# KiCad board smps_legged_robot.kicad_pcb (continued)
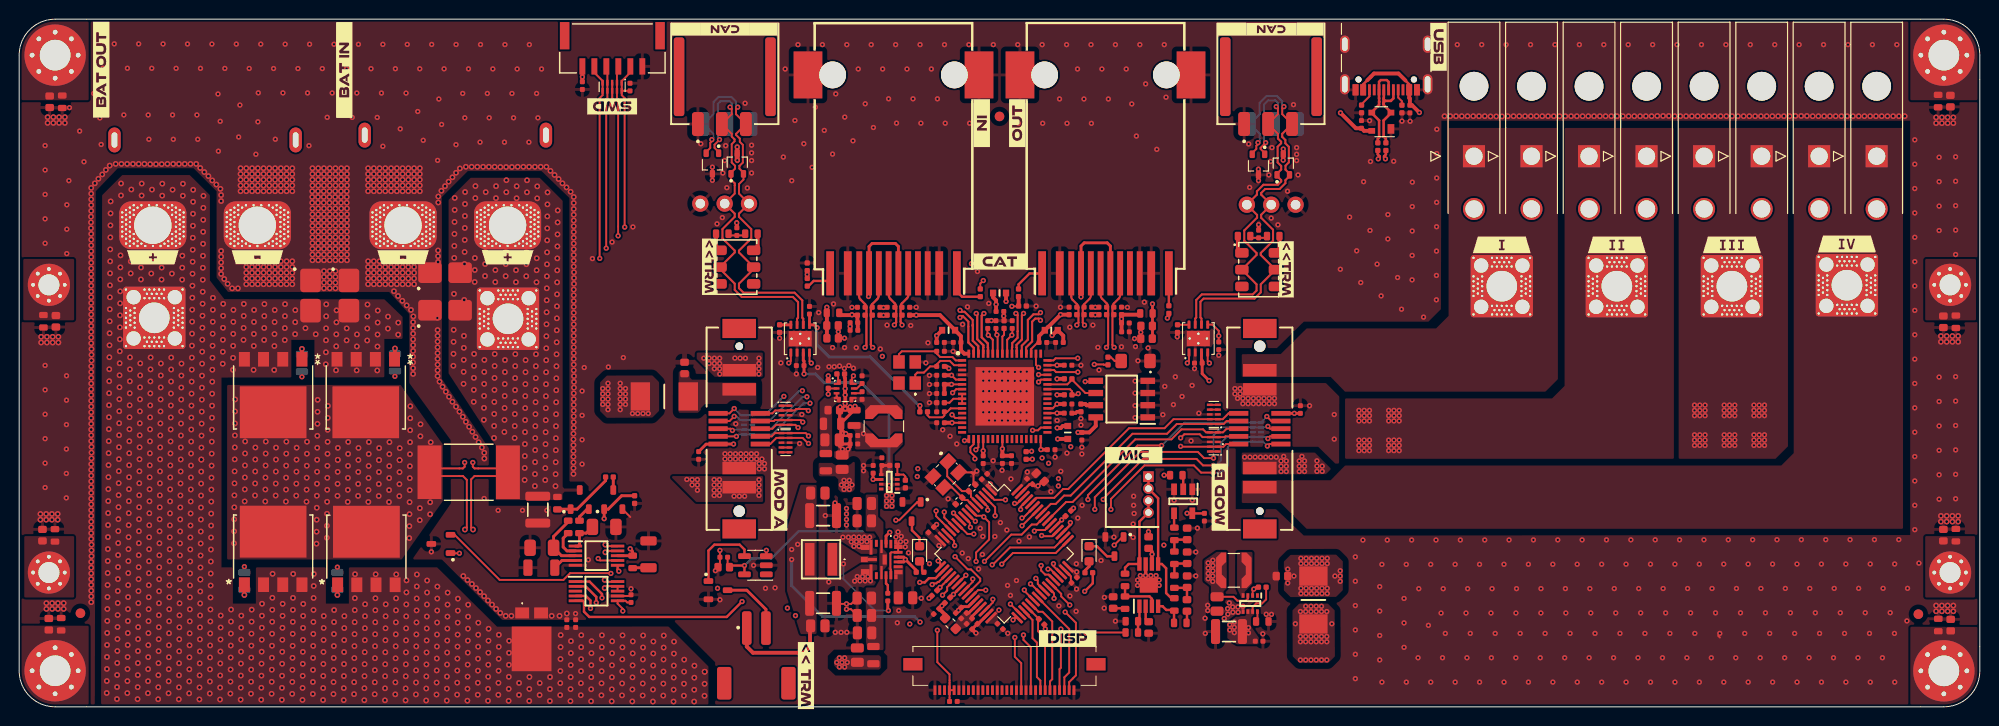
[diagram p0: board, top side]
## Routing (per net, layer and track width the routed paths; a pad name or vN(x,y) marks a point on that pad's centre or on a via; arc(x,y) is an arc through that point) (continued)
Net-(R1701-Pad2): length 1.5
  L1 (Sig, PWR) w0.25: U1701.2 121.41,24.15
Net-(R1703-Pad1): length 1.5
  L1 (Sig, PWR) w0.25: R1703.1 120.46,18.71 U1701.4
Net-(SW1101A-A): length 1.9
  L1 (Sig, PWR) w0.4: SW1101.1 127.11,47.75 R1107.1
Net-(SW1101B-A): length 1.9
  L1 (Sig, PWR) w0.4: SW1101.4 131.45,47.75 R1108.2
Net-(SW1103A-A): length 1.9
  L1 (Sig, PWR) w0.4: SW1103.1 72.69,48.02 R1138.1
Net-(SW1103B-A): length 1.9
  L1 (Sig, PWR) w0.4: R1139.2 77.03,48.02 SW1103.4
Net-(U801-MODE): length 12
  L1 (Sig, PWR) w0.2: U802.8 86.86,34.35 ; v2(84.39,34.51) R803.2
  L1 (Sig, PWR) w0.25: 89.95,25.17 89.91,25.13 89.91,24.21 U801.5
  L1 (Sig, PWR) w0.3: 89.95,25.17 R805.1
  L3 (Sig, PWR) w0.2: v2(87.02,34.51) v2(84.39,34.51)
  L4 (Sig, PWR) w0.2: v2(87.02,34.51) 88.06,33.46 v2(88.06,28.48)
Net-(U801-PR1): length 2.3
  L1 (Sig, PWR) w0.2: R804.1 92.43,24.02 92.24,24.22 91.6,24.22 U801.4 91.6,24.22 R805.2 91.59,25.16
Net-(U802-BOOT): length 0.9
  L1 (Sig, PWR) w0.2: U802.6 87.75,32.69 C815.2
Net-(U802-EN/UVLO): length 0.6
  L1 (Sig, PWR) w0.2: U802.3 85.27,32.69 85.27,32.33 U802.4
unconnected-(D901-K-Pad4): length 0.8
  L1 (Sig, PWR) w0.2: D901.7 D901.4
unconnected-(D901-K-Pad5): length 0.8
  L1 (Sig, PWR) w0.2: D901.6 D901.5
unconnected-(D903-K-Pad1): length 0.8
  L1 (Sig, PWR) w0.2: D903.10 125.03,26.62
unconnected-(D1001-K-Pad4): length 0.9
  L1 (Sig, PWR) w0.2: D1001.4 D1001.7
unconnected-(D1001-K-Pad5): length 0.9
  L1 (Sig, PWR) w0.2: D1001.5 D1001.6
unconnected-(D1003-K-Pad1): length 0.9
  L1 (Sig, PWR) w0.2: D1003.1 D1003.10

## Copper pours and planes (outline as drawn; the poured copper is in the pictures)
+3.3VA on L1 (Sig, PWR): 98.81,10.14 99.75,9.22 98.83,8.3 98.28,8.11 97.67,7.5 97.05,8.11 97.67,8.72 97.91,9.23
+3V3 on L1 (Sig, PWR): 100.09,23.67 100.09,23.81 100.34,24.04 100.48,24.04 100.89,23.62 101.36,23.49 102.04,22.81 102.04,22.16 101.85,21.97 101.79,21.97
+3V3 on L1 (Sig, PWR): 108.75,15.04 109.79,14 109.89,13.83 109.97,13.48 110.33,13.13 110.68,13.47 110.56,14.28 109.65,14.59 108.95,15.29 108.75,15.09
+3V3 on L1 (Sig, PWR): 95.68,17.96 95.44,17.94 94.84,18.54 94.47,18.18 94.47,17.96 95.85,16.53 96.44,16.53 96.71,16.8 96.71,16.93
+3V3 on L1 (Sig, PWR): 100.94,8.66 101.69,8.66 102.04,8.31 102.42,8.69 102.06,9.01 102.06,9.73 102.06,9.74 102.47,10.15 102.24,10.37 100.75,8.87
+3V3 on L1 (Sig, PWR): 124.31,11.01 125.62,11.01 125.63,12.05 125.96,12.38 125.95,16.16 124.91,16.16 123.61,15.27 123.61,13.12 124.3,12.61
+3V3 on L1 (Sig, PWR): 104.56,23.34 103.43,22.2 103.67,21.96 104.95,23.27 105.15,23.27 105.68,23.8 106.15,23.8 106.7,24.38 106.16,24.92 105.06,24.78 104.86,24.59
+3V3 on L6 (Sig, PWR): 95.84,16.03 94.44,14.64 94.44,11.28 97.15,9.69 119.92,9.69 124.87,12.83 124.87,19.26 123.81,20.33 121.06,20.33 120.5,19.77 120.52,18.28 119.67,17.46 112.17,17.46 110.84,18.78 110.81,28.91 109.04,30.69 109.04,38.64 108.04,39.33 108.04,41.73 107.09,42.69 100.29,42.69 99.94,42.33 99.94,40.58 100.24,40.28 102.64,40.28 106.67,36.28 106.67,29.16 106.02,28.51 99.64,28.53 98.94,29.23 98.94,34.26 98.19,35.01 98.19,36.01 96.99,37.21 96.99,38.94 96.67,39.26 95.69,39.26 95.37,38.94 95.37,36.44 95.09,36.16 93.97,36.16 93.64,35.83 93.63,31.44 93.65,27.84 95.87,25.62
+3V3_A on L6 (Sig, PWR): 108.25,43.59 109.22,44.43 116.45,44.43 117.82,43.58 117.82,39.55 116.46,38.79 109.22,38.79 108.24,39.51
+3V3_B on L6 (Sig, PWR): 86.45,43.34 87.85,44.22 92.94,44.22 94.75,42.41 94.74,40.38 92.93,38.57 88.26,38.57 86.45,40.38
+5V on L1 (Sig, PWR): 127.02,6.52 126.02,7.14 126.02,8.71 127.02,9.46 127.81,9.46 127.99,9.64 127.99,10.23 128.81,10.23 128.81,9.64 128.49,9.31 128.49,8.39 129.31,7.19 129.31,6.52
+5V on L1 (Sig, PWR): 89.68,23.36 91.83,23.36 91.83,22.97 91.31,22.97 91.15,22.81 91.15,22.38 91.32,22.21 91.32,20.63 90.18,20.63 90.18,22.21 90.35,22.38 90.35,22.81 90.19,22.97 89.68,22.97
+5V on L6 (Sig, PWR): 89.96,23.53 89.96,21.56 87.69,19.26 87.69,12.14 95.12,7.64 128.47,7.56 128.47,8.94 127.94,9.46 97.03,9.49 90.19,13.66 90.19,18.86 91.57,20.26 91.57,23.53
+12V on L1 (Sig, PWR): 81.52,23.16 83.17,23.14 83.17,7.59 81.52,7.58 80.09,12.06 80.09,18.61
+VBAT on L1 (Sig, PWR): 49.69,21.56 49.69,27.26 44.79,34.76 44.79,52.86 47.09,55.16 54.29,55.16 56.69,52.76 56.69,22.94 56.87,22.76 58.79,22.76 58.79,22.44 56.89,22.44 56.69,22.23 56.69,21.56
+VBAT on L6 (Sig, PWR), L3 (Sig, PWR), L4 (Sig, PWR): 49.69,21.56 49.69,27.26 44.79,34.76 44.79,52.86 47.09,55.16 54.29,55.16 56.69,52.76 56.69,21.56
+VIN on L1 (Sig, PWR): 66.04,30.16 66.74,30.86 66.74,33.86 66.04,34.56 61.29,34.53 60.59,33.83 60.59,30.83 61.29,30.14
+VIN on L1 (Sig, PWR): 89.9,5.18 89.9,4.08 89.7,3.88 85.42,3.88 85,4.3 85,4.95 85.42,5.38 89.7,5.38
+VIN on L1 (Sig, PWR): 22.29,14.55 22.29,10.76 24.69,10.76 24.69,14.55 31.99,14.55 31.99,10.76 34.39,10.76 34.39,14.55 43.59,14.55 49.84,8.36 67.73,8.37 71.89,4.21 71.89,0.23 8.54,0.26 8.65,53.35 10.75,55.45 17.79,55.45 19.89,53.36 19.89,44.46 21.39,42.51 38.09,42.48 39.99,40.66 39.99,38.36 38.09,38.36 38.09,34.36 30.79,34.35 30.79,38.26 28.39,38.26 28.39,34.34 21.1,34.33 21.1,14.55
+VIN on L1 (Sig, PWR): 137.21,10.06 136.51,10.76 133.51,10.76 132.81,10.06 132.83,5.26 133.53,4.56 136.53,4.56 137.23,5.26
+VIN on L1 (Sig, PWR): 83.39,25.41 83.39,24.16 83.52,24.03 85.1,24.04 85.43,23.71 85.43,22.68 85.75,22.36 86.84,22.36 87.15,22.68 87.16,25.53 83.52,25.53
+VIN on L6 (Sig, PWR): 22.29,14.55 22.29,10.76 24.69,10.76 24.69,14.55 31.99,14.55 31.99,10.76 34.39,10.76 34.39,14.55 43.59,14.55 49.84,8.36 62.89,8.36 64.49,9.96 64.49,15.31 60.24,15.31 60.24,15.61 64.49,15.61 64.49,17.21 59.69,21.96 59.71,34.41 62.89,34.41 66.09,31.21 66.09,25.06 71.34,19.83 77.19,19.83 83.37,24.16 87.39,24.16 87.39,22.11 84.37,22.11 77.74,17.44 71.89,17.44 71.89,9.96 73.49,8.36 78.59,8.36 80.89,6.86 130.59,6.86 131.87,8.14 131.87,9.64 132.99,10.76 137.09,10.76 138.19,9.64 138.19,0.26 8.54,0.26 8.65,53.35 10.75,55.45 17.79,55.45 19.89,53.36 19.89,44.46 21.39,42.51 38.09,42.48 39.99,40.66 39.99,38.36 38.09,38.36 38.09,34.36 30.79,34.35 30.79,38.26 28.39,38.26 28.39,34.34 21.1,34.33 21.1,14.55
+VIN on L3 (Sig, PWR), L4 (Sig, PWR): 22.29,14.55 22.29,10.76 24.69,10.76 24.69,14.55 31.99,14.55 31.99,10.76 34.39,10.76 34.39,14.55 43.59,14.55 43.59,0.86 8.59,0.86 8.65,53.35 10.75,55.45 17.79,55.45 19.89,53.36 19.89,44.46 21.39,42.51 38.09,42.48 39.99,40.66 39.99,38.36 38.09,38.36 38.09,34.36 30.79,34.35 30.79,38.26 28.39,38.26 28.39,34.34 21.1,34.33 21.1,14.55
GND on L1 (Sig, PWR): 116.35,12.33 119.22,12.33 119.22,13.5 118.88,13.95 116.68,13.95 116.35,13.5
GND on L1 (Sig, PWR): 125.67,11.16 127.47,11.16 127.94,10.69 127.94,9.78 127.04,8.89 125.49,8.89 125.31,9.06 125.31,10.81
GND on L1 (Sig, PWR): 38.59,43.26 40.69,40.96 40.69,33.76 45,27.82 45.03,21.21 40.99,15.36 44.09,15.36 50.39,9.06 68.19,9.06 72.59,4.65 72.59,-0.42 88.34,-0.39 88.34,3.26 85.14,3.26 84.34,4.01 84.34,5.31 84.99,5.96 89.89,5.96 90.54,5.31 90.54,4.01 89.79,3.26 88.34,3.26 88.34,-0.39 135.44,-0.43 135.44,17.86 133.99,17.86 131.09,20.61 126.89,20.61 126.89,27.11 135.5,27.11 137.28,25.36 137.67,25.36 137.69,32.36 136.29,33.76 126.89,33.76 126.89,37.41 131.19,37.41 133.99,40.16 146.99,40.16 148.29,41.46 148.34,61.11 197.24,61.11 197.24,17.91 135.44,17.86 135.44,-0.44 204.99,-0.44 204.99,72.06 54.49,72.06 54.49,55.86 57.39,53.06 57.39,23.48 58.89,23.48 59.39,22.98 59.39,22.23 58.89,21.73 57.66,21.73 56.89,20.96 48.96,20.96 48.99,26.96 44.09,34.19 44.09,53.16 46.79,55.86 54.49,55.86 54.49,72.06 -0.41,72.16 -0.41,-0.24 7.89,-0.24 7.99,53.76 10.29,56.16 18.19,56.16 20.59,53.76 20.59,44.76 21.79,43.26
GND on L6 (Sig, PWR): 38.69,43.26 40.79,40.96 40.79,33.76 45.1,27.82 45.13,21.21 41.09,15.36 44.19,15.36 50.49,9.06 62.49,9.06 63.89,10.36 63.89,14.86 59.89,14.91 59.89,16.01 63.89,16.01 63.89,17.14 59.19,21.76 59.19,34.96 63.49,34.96 63.49,43.19 89.94,60.38 114.37,60.36 155.49,33.51 185.09,33.46 185.09,26.46 183.79,25.16 137.64,25.36 137.64,31.26 112.02,47.19 92.62,47.19 78.19,38.19 78.19,33.76 73.27,33.76 73.27,26.01 74.62,24.66 78.31,24.66 78.31,21.53 83.34,24.96 88.06,24.96 88.06,21.41 84.62,21.41 78.06,16.81 72.59,16.81 72.59,10.66 74.19,9.06 79.09,9.06 81.19,7.66 130.02,7.56 130.97,8.51 130.99,19.56 126.89,23.66 126.89,27.11 136.84,27.11 136.84,24.76 138.89,22.86 138.89,-0.44 205.09,-0.44 205.09,72.06 54.59,72.06 54.59,55.86 57.49,53.06 57.49,20.96 49.07,20.96 49.09,26.96 44.09,34.16 44.19,53.16 46.89,55.86 54.59,55.86 54.59,72.06 -0.31,72.16 -0.31,-0.24 7.99,-0.24 8.09,53.76 10.39,56.16 18.29,56.16 20.69,53.76 20.69,44.76 21.89,43.26
GND on L2 (GND), L5 (GND): -4.11,73.26 205.09,72.26 205.09,-0.94 -4.11,0.06
GND on L3 (Sig, PWR), L4 (Sig, PWR): 38.59,43.26 40.69,40.96 40.69,33.76 45,27.82 45.03,21.21 40.99,15.36 44.29,15.36 44.29,-0.19 130.49,-0.44 204.99,-0.44 204.99,72.06 54.49,72.06 54.49,55.86 57.39,53.06 57.39,20.96 48.96,20.96 48.99,26.96 44.09,34.21 44.09,53.16 46.79,55.86 54.49,55.86 54.49,72.06 -0.41,72.16 -0.41,-0.24 7.89,-0.24 7.99,53.76 10.29,56.16 18.19,56.16 20.59,53.76 20.59,44.76 21.79,43.26
/Project Architecture/Connectors - Rail Out 1/RAIL1 on L1 (Sig, PWR): 127.52,23.62 136.79,23.62 138.29,25.16 183.79,25.16 185.09,26.46 185.09,60.36 196.49,60.36 196.49,18.56 134.29,18.56 131.58,21.24 127.52,21.25
/Project Architecture/Connectors - Rail Out 1/RAIL2 on L1 (Sig, PWR): 127.52,34.4 136.79,34.4 138.29,32.86 159.19,32.86 160.49,34.16 160.49,60.36 149.09,60.36 149.09,40.76 147.79,39.46 134.29,39.46 131.58,36.78 127.52,36.77
/Project Architecture/Connectors - Rail Out 1/RAIL3 on L1 (Sig, PWR): 138.29,25.86 138.29,32.16 159.89,32.16 161.19,33.46 161.19,60.36 172.59,60.36 172.59,25.86
/Project Architecture/Connectors - Rail Out 1/RAIL3 on L1 (Sig, PWR): 77.56,34.41 77.56,36.94 70.67,36.94 70.67,36.28 72.54,34.41
/Project Architecture/Connectors - Rail Out 1/RAIL3 on L6 (Sig, PWR): 77.57,34.41 72.54,34.41 70.66,36.28 70.66,40.23 91.31,53.64 112.94,53.64 145.39,32.61 145.39,25.86 138.29,25.86 138.29,31.56 112.05,47.86 92.44,47.83 77.56,38.58 77.57,36.94
/Project Architecture/Connectors - Rail Out 1/RAIL4 on L1 (Sig, PWR): 173.09,60.36 184.49,60.36 184.49,27.16 183.19,25.86 173.09,25.86
/Project Architecture/Connectors - Rail Out 1/RAIL4 on L1 (Sig, PWR): 77.59,24.06 77.59,21.36 70.62,21.36 67.91,24.06
/Project Architecture/Connectors - Rail Out 1/RAIL4 on L6 (Sig, PWR): 77.59,24.06 77.59,21.36 70.62,21.36 67.48,24.5 67.48,30.95 64.06,34.23 64.06,42.66 90.31,59.86 114.06,59.83 155.39,32.76 184.49,32.81 184.49,27.16 183.19,25.86 146.24,25.86 146.24,32.76 113.04,54.28 91.34,54.31 69.94,40.48 69.94,36.14 72.59,33.51 72.59,25.86 74.39,24.06
/Project Architecture/Power - Precharge/PRE_D on L1 (Sig, PWR), L6 (Sig, PWR), L3 (Sig, PWR): 44.19,21.46 44.19,27.36 39.79,33.56 21.69,33.56 21.69,15.36 39.89,15.36
/Project Architecture/Power - Precharge/PRE_D on L4 (Sig, PWR): 44.2,21.74 44.18,27.58 40.52,32.7 21.88,32.71 21.79,16.26 40.49,16.26
Net-(C1302-Pad1) on L1 (Sig, PWR): 137.36,11.47 138.06,12.17 138.06,15.17 137.36,15.87 132.61,15.84 131.91,15.14 131.91,12.14 132.61,11.44
Net-(C1302-Pad1) on L1 (Sig, PWR): 127.52,24.23 127.52,26.51 135.14,26.51 136.84,24.81 136.29,24.26
Net-(C1302-Pad1) on L6 (Sig, PWR): 132.99,11.46 136.99,11.46 138.29,12.76 138.29,22.16 136.24,24.23 136.24,26.58 127.52,26.58 127.52,24.23 131.69,20.06 131.69,12.76
Net-(C1401-Pad1) on L1 (Sig, PWR): 68.78,30.66 70.79,30.66 71.09,30.96 71.09,31.14 71.54,31.58 76.89,31.58 76.89,33.81 71.89,33.81 71.59,34.11 70.18,34.11 69.95,34.34 69.95,35.12 68.79,35.12
Net-(C2102-Pad1) on L1 (Sig, PWR): 204.1,40.3 204.1,46.7 198.8,46.7 198.8,40.3
Net-(C2103-Pad1) on L1 (Sig, PWR): 0.53,11.4 5.73,11.4 5.73,17.8 0.53,17.8
Net-(C2104-Pad1) on L1 (Sig, PWR): 198.8,11.4 204,11.4 204,17.8 198.8,17.8
Net-(C2105-Pad1) on L1 (Sig, PWR): 5.73,40.3 5.73,46.7 0.43,46.7 0.43,40.3
Net-(C2201-Pad1) on L1 (Sig, PWR): -0.17,71.9 7.25,71.9 7.25,63.25 -0.17,63.25
Net-(C2202-Pad1) on L1 (Sig, PWR): -0.12,8.47 7.25,8.45 7.25,-0.2 -0.12,-0.18
Net-(C2203-Pad1) on L1 (Sig, PWR): 197.25,0.25 204.6,0.23 204.6,8.33 197.25,8.35
Net-(C2204-Pad1) on L1 (Sig, PWR): 197.25,71.9 204.64,71.9 204.64,63.25 197.25,63.25
Net-(IC801-SW) on L1 (Sig, PWR): 127.84,11.33 127.84,12.01 128.62,12.81 128.64,16.15 127.03,16.15 127.03,12.37 127.49,11.33
Net-(IC1201-BIAS) on L1 (Sig, PWR): 91.2,14.79 91.2,10.67 92.22,10.67 92.22,14.79
Net-(IC1201-EP) on L1 (Sig, PWR): 90.55,15.99 90.55,14.74 90.15,14.24 90.15,5.92 88.47,5.92 88.32,6.79 88.3,12.44 89.3,12.44 89.7,13.14 89.7,17.64 89.25,18.29 88.3,18.29 88.3,22.14 89.59,22.14 89.59,19.8 90.14,19.25 90.14,17.43 90.14,16.47
Net-(IC1201-LX) on L1 (Sig, PWR): 84.25,17.14 84.25,13.64 85.55,13.64 87.75,15.04 89.55,15.04 89.55,15.74 87.75,15.74 85.55,17.14
Net-(U801-MODE) on L1 (Sig, PWR): 86.39,29.71 87.81,29.71 89.62,27.91 92.17,27.91 92.16,27.36 91.64,26.83 91.12,26.32 91.12,24.1 91.36,23.86 91.83,23.86 91.83,23.56 90.78,23.56 90.28,24.06 89.67,24.06 89.67,24.83 90.44,25.6 90.44,26.32 89.93,26.84 87.19,26.83 87.19,28.73 86.97,28.96 86.39,28.96
Net-(U802-EN/UVLO) on L1 (Sig, PWR): 83.49,26.03 83.49,31.76 84.06,32.33 85.72,32.33 85.72,31.73 85.31,31.73 84.79,31.19 84.79,26.03
Net-(U802-SW) on L1 (Sig, PWR): 86.59,32.33 91.09,32.33 92.17,31.26 92.17,30.58 88.22,30.58 88.22,31.36 87.87,31.71 86.59,31.71

## Text on the board
User.Comments: PCB3D_BR_smps_legged_robot | PCB3D_TL_smps_legged_robot
F.Mask: GEODE | v1.0 | June 2024 | Federico Bise
Stackup Info: Prepreg | Core | F.Paste | F.Silkscreen | F.Mask | B.Mask | B.Silkscreen | B.Paste | ??mm | Solder Resist | FR-4 | Paste Mask | Legend | Solder Mask | Dielectric | GBR | Total thickness: 1.62mm | Material | Layer | Thickness | Dielectric / Material | Type | Gerber | Note: external layer thicknesses are specified after plating. | Copper | L1 (??) | L2 (??) | L3 (?? | L4 (??) | L5 (??) | L6 (??) | ??mm (??oz) | Signal | Internal Plane | FABRICATION NOTES (CONT.) / 3)	IMPEDANCE CONTROL REQUIRED. ? / Microstrip ???-Ohm Differential (L? ref. L?, L? ref. L?) / ??mm width, ??mm spacing / 4) 	CONFIRM TRACE WIDTHS AND SPACINGS. / 5)	DESIGN GEOMETRY MINIMUM FEATURE SIZES: / TRACE WIDTH			?? mm		TRACE TO TRACE			?? mm / MIN. HOLE (plated)	?? mm		MIN. HOLE (unplated)	?? mm / ANNULAR RING		?? mm		COPPER TO HOLE			?? mm / COPPER TO EDGE		?? mm		HOLE TO HOLE			?? mm | Layer Stack Legend
F.Dimensions: FABRICATION NOTES (UNLESS OTHERWISE SPECIFIED) / 1) / 2) | All dimensions are in millimeters unless otherwise specified.
B.Dimensions: All dimensions are in millimeters unless otherwise specified.
F.TestPointList: TP?? / TP?? / TP?? / TP?? | ?? / ?? / ?? / ?? | Ref. | Net | X [mm] | Y [mm] | Y | X | All dimensions are in millimeters unless otherwise specified.
B.TestPointList: ?? / ?? / ?? / ?? | TP?? / TP?? / TP?? / TP?? | Y [mm] | X [mm] | Net | Ref. | Y | X | All dimensions are in millimeters unless otherwise specified.
